# Altium PCB PPG_sensor.PcbDoc (part 1 of 2) (continued)
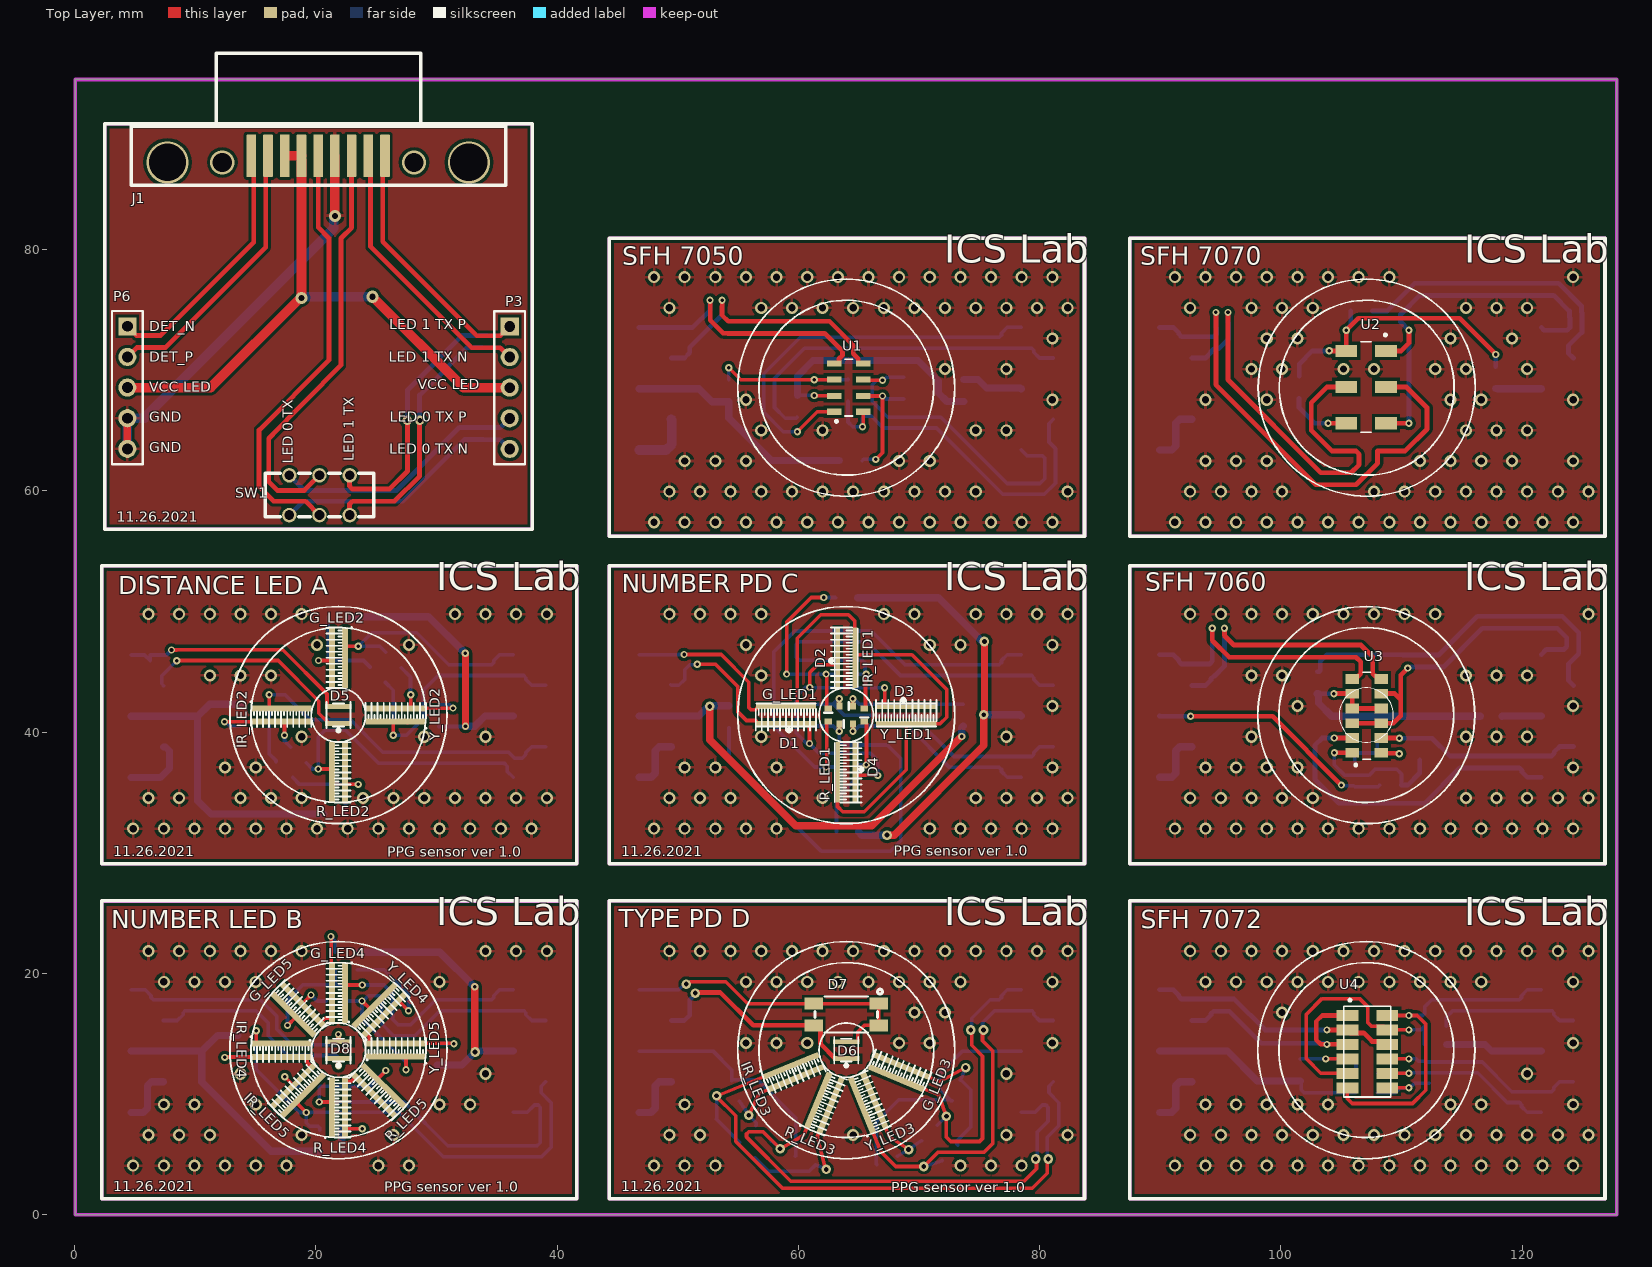
[diagram p0: Top Layer view]
## Components (designator, comment, footprint, x,y, rotation, side; value= is the part's Value field where it differs from the comment)
C_R1 "Res1" RES-SMD-0603 101.52,68.6 r270 bottom value=0
D1 "Photo Sen" PD_2704 58.97,41.405 r180 top
D2 "Photo Sen" PD_2704 63.97,46.155 r90 top
D3 "Photo Sen" PD_2704 68.95,41.4 r0 top
D4 "Photo Sen" PD_2704 63.97,36.655 r270 top
D5 "SFH_2704" OSRAM_Opto_Semiconductors_SFH_2704_MFG 21.87,41.405 r180 top
D6 "SFH_2704" OSRAM_Opto_Semiconductors_SFH_2704_MFG 63.97,13.625 r180 top
D7 "APS5130PD7C-P22" LED_APS5130PD7C-P22_KNB 63.97,16.575 r180 top
D8 "SFH_2704" OSRAM_Opto_Semiconductors_SFH_2704_MFG 21.87,13.625 r180 top
G_LED1 "LED" RESC0402X15N 62.47,41.405 r270 top value="LED 3 - 5 ly 2 Colour"
G_LED2 "LED" LED_PPG_DISTANCE_2 21.87,46.155 r0 top value="LED 3 - 5 ly 2 Colour"
G_LED3 "LED" LED_PPG_DISTANCE_2 68.358,11.807 r247.5 top value="LED 3 - 5 ly 2 Colour"
G_LED4 "LED" LED_PPG_DISTANCE_2 21.87,18.375 r0 top value="LED 3 - 5 ly 2 Colour"
G_LED5 "LED" LED_PPG_DISTANCE_2 18.516,16.991 r225 top value="LED 3 - 5 ly 2 Colour"
H_R1 "Res1" RES-SMD-0603 64.12,68.3 r90 bottom value=0
H_R2 "Res1" RES-SMD-0603 59.92,67 r90 bottom value=0
H_R3 "Res1" RES-SMD-0603 68.72,68.5 r90 bottom value=0
H_R4 "Res1" RES-SMD-0603 60.975,41.425 r270 bottom value=0
H_R5 "Res1" RES-SMD-0603 66.95,41.425 r270 bottom value=0
H_R6 "Res1" RES-SMD-0603 63.975,44.85 r180 bottom value=0
H_R7 "Res1" RES-SMD-0603 63.9,37.125 r180 bottom value=0
H_R8 "Res1" RES-SMD-0603 106.72,74.9 r180 bottom value=0
H_R9 "Res1" RES-SMD-0603 17.32,36.905 r315 bottom value=0
H_R10 "Res1" RES-SMD-0603 18.545,38.105 r315 bottom value=0
H_R11 "Res1" RES-SMD-0603 25.145,44.73 r135 bottom value=0
H_R12 "Res1" RES-SMD-0603 26.445,45.955 r135 bottom value=0
H_R13 "Res1" RES-SMD-0603 103.02,44.1 r270 bottom value=0
H_R14 "Res1" RES-SMD-0603 111.52,38.6 r270 bottom value=0
H_R15 "Res1" RES-SMD-0603 107.12,39.5 r180 bottom value=0
H_R16 "Res1" RES-SMD-0603 55.745,5.35 r315 bottom value=0
H_R17 "Res1" RES-SMD-0603 57.095,6.725 r315 bottom value=0
H_R18 "Res1" RES-SMD-0603 72.57,5.1 r45 bottom value=0
H_R19 "Res1" RES-SMD-0603 70.845,6.75 r45 bottom value=0
H_R20 "Res1" RES-SMD-0603 19.425,10.625 r0 bottom value=0
H_R21 "Res1" RES-SMD-0603 21.225,7 r0 bottom value=0
H_R22 "Res1" RES-SMD-0603 112.82,15.6 r180 bottom value=0
H_R23 "Res1" RES-SMD-0603 112.02,11.8 r270 bottom value=0
H_R24 "Res1" RES-SMD-0603 107.12,11.7 r0 bottom value=0
H_R25 "Res1" RES-SMD-0603 22.525,20.275 r180 bottom value=0
H_R26 "Res1" RES-SMD-0603 21.775,17.7 r180 bottom value=0
IR_LED1 "LED" RESC0402X15N 63.97,42.155 r180 top value="LED 3 - 5 ly 2 Colour"
IR_LED2 "LED" LED_PPG_DISTANCE_2 17.12,41.405 r90 top value="LED 3 - 5 ly 2 Colour"
IR_LED3 "LED" LED_PPG_DISTANCE_2 59.582,11.807 r112.5 top value="LED 3 - 5 ly 2 Colour"
IR_LED4 "LED" LED_PPG_DISTANCE_2 17.125,13.625 r90 top value="LED 3 - 5 ly 2 Colour"
IR_LED5 "LED" LED_PPG_DISTANCE_2 18.516,10.266 r315 top value="LED 3 - 5 ly 2 Colour"
J1 "DRB-09P11G1R" K202XHT-E9P-NJ_DB9_Male 20.19,87.773 r0 top
P1 "Header 5" "HDR 5 POS 1 ROW" 79.805,68.465 r270 bottom
P2 "Header 5" "HDR 5 POS 1 ROW" 79.805,41.325 r270 bottom
P3 "Header 5" HDR1X5 36.07,73.625 r270 top
P4 "Header 5" "HDR 5 POS 1 ROW" 48.135,68.465 r270 bottom
P5 "Header 5" "HDR 5 POS 1 ROW" 48.135,41.325 r270 bottom
P6 "Header 5" HDR1X5 4.37,73.635 r270 top
P7 "Header 5" "HDR 5 POS 1 ROW" 122.955,68.465 r270 bottom
P8 "Header 5" "HDR 5 POS 1 ROW" 91.285,68.465 r270 bottom
P9 "Header 5" "HDR 5 POS 1 ROW" 37.705,41.325 r270 bottom
P10 "Header 5" "HDR 5 POS 1 ROW" 6.035,41.305 r270 bottom
P11 "Header 5" "HDR 5 POS 1 ROW" 79.805,13.545 r270 bottom
P12 "Header 5" "HDR 5 POS 1 ROW" 48.135,13.545 r270 bottom
P13 "Header 5" "HDR 5 POS 1 ROW" 122.92,41.325 r270 bottom
P14 "Header 5" "HDR 5 POS 1 ROW" 91.285,41.325 r270 bottom
P15 "Header 5" "HDR 5 POS 1 ROW" 37.705,13.545 r270 bottom
P16 "Header 5" "HDR 5 POS 1 ROW" 6.035,13.545 r270 bottom
P17 "Header 5" "HDR 5 POS 1 ROW" 122.92,13.545 r270 bottom
P18 "Header 5" "HDR 5 POS 1 ROW" 91.285,13.545 r270 bottom
P_R1 "Res1" RES-SMD-0603 64.32,62.5 r180 bottom value=0
P_R2 "Res1" RES-SMD-0603 54.22,68.3 r270 bottom value=0
P_R3 "Res1" RES-SMD-0603 73.72,68.3 r90 bottom value=0
P_R4 "Res1" RES-SMD-0603 73.675,41.425 r270 bottom value=0
P_R5 "Res1" RES-SMD-0603 54.25,41.25 r90 bottom value=0
P_R6 "Res1" RES-SMD-0603 64.05,31.725 r0 bottom value=0
P_R7 "Res1" RES-SMD-0603 63.975,51.125 r0 bottom value=0
P_R8 "Res1" RES-SMD-0603 117.82,69.4 r270 bottom value=0
P_R9 "Res1" RES-SMD-0603 13.77,41.38 r90 bottom value=0
P_R10 "Res1" RES-SMD-0603 21.57,33.205 r180 bottom value=0
P_R11 "Res1" RES-SMD-0603 30.195,41.38 r270 bottom value=0
P_R12 "Res1" RES-SMD-0603 106.12,36.4 r270 bottom value=0
P_R13 "Res1" RES-SMD-0603 21.92,49.555 r0 bottom value=0
P_R14 "Res1" RES-SMD-0603 117.42,41.3 r0 bottom value=0
P_R15 "Res1" RES-SMD-0603 54.82,10.25 r112.5 bottom value=0
P_R16 "Res1" RES-SMD-0603 109.12,35.6 r180 bottom value=0
P_R17 "Res1" RES-SMD-0603 60.595,4.475 r157.5 bottom value=0
P_R18 "Res1" RES-SMD-0603 67.37,4.475 r202.5 bottom value=0
P_R19 "Res1" RES-SMD-0603 73.095,10.3 r247.5 bottom value=0
P_R20 "Res1" RES-SMD-0603 13.525,13.95 r270 bottom value=0
P_R21 "Res1" RES-SMD-0603 21.275,5.25 r180 bottom value=0
P_R22 "Res1" RES-SMD-0603 101.62,12 r270 bottom value=0
P_R23 "Res1" RES-SMD-0603 30.05,13.275 r90 bottom value=0
P_R24 "Res1" RES-SMD-0603 112.82,14.1 r0 bottom value=0
P_R25 "Res1" RES-SMD-0603 107.12,10.1 r180 bottom value=0
P_R26 "Res1" RES-SMD-0603 22.5,21.75 r0 bottom value=0
R_LED1 "LED" RESC0402X15N 63.97,40.655 r0 top value="LED 3 - 5 ly 2 Colour"
R_LED2 "LED" LED_PPG_DISTANCE_2 21.87,36.655 r180 top value="LED 3 - 5 ly 2 Colour"
R_LED3 "LED" LED_PPG_DISTANCE_2 62.152,9.237 r157.5 top value="LED 3 - 5 ly 2 Colour"
R_LED4 "LED" LED_PPG_DISTANCE_2 21.875,8.875 r180 top value="LED 3 - 5 ly 2 Colour"
R_LED5 "LED" LED_PPG_DISTANCE_2 25.234,10.266 r45 top value="LED 3 - 5 ly 2 Colour"
SW1 "SSSS222700" DPDT_SSSS222700 20.295,59.635 r0 top
U1 "SFH_7050" XDCR_SFH_7050 64.17,68.55 r90 top
U2 "SFH_7070" XDCR_SFH_7070 107.07,68.6 r270 top
U3 "SFH_7060" XDCR_SFH_7060 107.12,41.34 r90 top
U4 "SFH_7072" XDCR_SFH_7072 107.17,13.5 r270 top
Y_LED1 "LED" RESC0402X15N 65.47,41.405 r90 top value="LED 3 - 5 ly 2 Colour"
Y_LED2 "LED" LED_PPG_DISTANCE_2 26.62,41.405 r270 top value="LED 3 - 5 ly 2 Colour"
Y_LED3 "LED" LED_PPG_DISTANCE_2 65.788,9.237 r202.5 top value="LED 3 - 5 ly 2 Colour"
Y_LED4 "LED" LED_PPG_DISTANCE_2 25.275,16.945 r135 top value="LED 3 - 5 ly 2 Colour"
Y_LED5 "LED" LED_PPG_DISTANCE_2 26.62,13.63 r270 top value="LED 3 - 5 ly 2 Colour"

## Footprints (in the part's own frame and the unit in brackets; to place one, negate y for a bottom-side part, rotate by r counter-clockwise, add the part's x,y. Pads: shape width x height; smd on the part's side, far side on the other; paste and mask are expansions set on the pad)
DPDT_SSSS222700 [mm]
  round 1.2 hole 0.8 mask+0.07: 1(-2.5,1.65) 2(0,1.65) 3(2.5,1.65) 4(-2.5,-1.65) 5(0,-1.65) 6(2.5,-1.65)
  round 1 hole 0.8 mask+0.07: 1(-2.5,1.65) 1(-2.5,1.65)
  silkscreen extent -4.5,-1.78 4.5,1.83, body extent -4.5,-1.77 4.5,1.83, height 5.21
HDR1X5 [mm] "Connector; Header; 5 Position"
  rect 1.5x1.5 hole 0.9: 1(0,0)
  round 1.5 hole 0.9: 2(2.54,0) 3(5.08,0) 4(7.62,0) 5(10.16,0)
  silkscreen extent -1.27,-1.27 11.43,1.27
"HDR 5 POS 1 ROW" [mm]
  rrect10% 1.27x3.56 smd mask+0.07: 1(-5.08,1.335) 2(-2.54,-1.335) 3(0,1.335) 4(2.54,-1.335) 5(5.08,1.335)
  silkscreen extent -6.14,-2.34 6.15,2.34, body extent -6.15,-2.44 6.15,2.44, height 10.05
K202XHT-E9P-NJ_DB9_Male [mm]
  rrect10% 0.8x3.5 smd mask+0.07: 1(5.54,0) 2(2.77,0) 3(0,0) 4(-2.77,0) 5(-5.54,0) 6(4.155,0) 7(1.385,0) 8(-1.385,0) 9(-4.155,0)
  silkscreen extent -15.5,-2.45 15.55,8.5, body extent -15.55,-2.67 15.26,8.98, height 10.81
LED_APS5130PD7C-P22_KNB [mm]
  rect 1.5x1 smd paste+0 mask+0: 1(-2.692,-0.9) 2(2.692,-0.9) 3(-2.692,0.9) 4(2.692,0.9)
  silkscreen extent -3,-2.1 2.6,1.5
LED_PPG_DISTANCE_2 [mm]
  rrect10% 0.5x5 smd mask+0: 1(-0.55,0) 2(0.55,0)
  silkscreen extent -1,-2.5 1.14,2.54, body extent -0.5,1.95 0.5,2.55, height 0.2
OSRAM_Opto_Semiconductors_SFH_2704_MFG [mm]
  rect 2.2x0.4 smd paste-1000 mask+0: 1(0,0.7) 2(0,-0.7)
  silkscreen extent -1,-1.1 1,1.4, body extent -1,-0.9 1,0.9, height 0.6
PD_2704 [mm]
  rect 5x0.4 smd paste-1000: 1(0,0.7) 2(0,-0.7)
  silkscreen extent -2.5,-0.95 2.5,1.4, body extent -0.75,-0.9 1.25,0.9, height 0.6
RES-SMD-0603 [mm]
  rect 0.6x0.9 smd: 1(-0.889,0) 2(0.927,0)
  silkscreen extent -1.4,-0.64 1.4,0.64, body extent -0.8,-0.4 0.8,0.4, height 0.43
RESC0402X15N [mm]
  rect 0.5x0.6 smd paste+0 mask+0: 1(-0.55,0) 2(0.55,0)
  silkscreen extent -0.2,-0.33 -0.2,0.33, body extent -0.5,-0.3 0.5,0.3, height 0.2
XDCR_SFH_7050 [mm]
  rect 0.5x1.2 smd paste-1 mask+0: 1(-2,1.2) 2(-0.69,1.2) 3(0.69,1.2) 4(2,1.2) 5(2,-1.2) 6(0.69,-1.2) 7(-0.69,-1.2) 8(-2,-1.2)
  silkscreen extent -2.89,-0.33 2.35,1.12, body extent -2.35,-1.25 2.35,1.25, height 1.01
XDCR_SFH_7060 [mm]
  rect 0.8x1.1 smd paste-1 mask+0: 1(-3.06,1.2) 2(-1.84,1.2) 3(-0.612,1.2) 4(0.612,1.2) 5(1.84,1.2) 6(3.06,1.2) 7(3.06,-1.2) 8(1.84,-1.2) 9(0.612,-1.2) 10(-0.612,-1.2) 11(-1.84,-1.2) 12(-3.06,-1.2)
  silkscreen extent -4.18,-0.33 3.6,1.01
XDCR_SFH_7070 [mm]
  rect 1x1.8 smd paste-1 mask+0: 1(-3,1.65) 2(0,1.65) 3(3,1.65) 4(3,-1.65) 5(0,-1.65) 6(-3,-1.65)
  silkscreen extent -4.42,-0.43 3.75,1.7, body extent -3.75,-1.95 3.75,1.95, height 0.95
XDCR_SFH_7072 [mm]
  rect 0.9x1.8 smd paste-1 mask+0: 1(-3,-1.65) 2(-1.8,-1.65) 3(-0.6,-1.65) 4(0.6,-1.65) 5(1.8,-1.65) 6(3,-1.65) 7(3,1.65) 8(1.8,1.65) 9(0.6,1.65) 10(-0.6,1.65) 11(-1.8,1.65) 12(-3,1.65)
  silkscreen extent -4.37,-1.95 3.76,1.95, body extent -3.75,-1.95 3.75,1.95, height 0.9

## Part data
C_R1 H_R1 H_R2 H_R3 H_R4 H_R5 H_R6 H_R7 H_R8 H_R9 H_R10 H_R11 H_R12 H_R13 H_R14 H_R15 H_R16 H_R17 H_R18 H_R19 H_R20 H_R21 H_R22 H_R23 H_R24 H_R25 H_R26 P_R1 P_R2 P_R3 P_R4 P_R5 P_R6 P_R7 P_R8 P_R9 P_R10 P_R11 P_R12 P_R13 P_R14 P_R15 P_R16 P_R17 P_R18 P_R19 P_R20 P_R21 P_R22 P_R23 P_R24 P_R25 P_R26: "Resistor", LatestRevisionDate=17-Jul-2002, LatestRevisionNote="Re-released for DXP Platform.", PackageDescription="Axial Device, Thru-Hole; 2 Leads; 0.3 in Pin Spacing", PackageReference=AXIAL-0.3, Published=8-Jun-2000, Publisher="Altium Limited"
D1 D2 D3 D4: "Photosensitive Diode", LatestRevisionDate=17-Jul-2002, LatestRevisionNote="Re-released for DXP Platform.", PackageReference=PIN2, Published=24-Mar-1999, Publisher="Altium Limited"
D7: "No Description Available", Mfr_Name=Kingbright, Copyright="Copyright (C) 2021 Ultra Librarian. All rights reserved.", Digi-Key_Part_Number_1=754-2215-2-ND, Digi-Key_Part_Number_2=754-2215-1-ND, Digi-Key_Part_Number_3=754-2215-6-ND, Manufacturer_Part_Number=APS5130PD7C-P22, RefDes=RefDes, Type=DEV
G_LED1 G_LED2 G_LED3 G_LED4 G_LED5 IR_LED1 IR_LED2 IR_LED3 IR_LED4 IR_LED5 R_LED1 R_LED2 R_LED3 R_LED4 R_LED5 Y_LED1 Y_LED2 Y_LED3 Y_LED4 Y_LED5: library part "LED SMD"
J1: library part "CON 9 Male", "Connector, DB9 R/A Through-hole Male", Max Current=3A, Category=Connector, Connector type=Header, Mounting Technology=Through-Hole, Pin Count=9, Status=Unreleased
P1 P2 P3 P4 P5 P6 P7 P8 P9 P10 P11 P12 P13 P14 P15 P16 P17 P18: "Header, 5-Pin", LatestRevisionDate=17-Jul-2002, LatestRevisionNote="Re-released for DXP Platform.", Publisher="Altium Limited"
U1: "Salida de voltaje del sensor de oxÃ­metro / frecuencia cardÃ­aca", Package=None, Digi-Key_Part_Number=475-3346-1-ND, Digi-Key_Purchase_URL=https://www.digikey.com/product-detail/en/osram-opto-semiconductors-inc/SFH-7050/475-3346-1-ND/7645273?utm_source=snapeda&utm_medium=aggregator&utm_campaign=symbol, MF="OSRAM Opto", MP="SFH 7050", SnapEDA_Link=https://www.snapeda.com/parts/SFH%207050/OSRAM%20Opto%20Semiconductors%20Inc./view-part/227176/?ref=snap
U2 U4: "Reflective Optical Sensor 6-SMD, No Lead", Package="SMD-6 Osram Opto", Availability=Unavailable, MF="OSRAM Opto", Price=None
  U2: MP="SFH 7070", SnapEDA_Link=https://www.snapeda.com/parts/SFH%207070/OSRAM%20Opto%20Semiconductors%20Inc./view-part/1043339/?ref=snap
  U4: MP="SFH 7072", SnapEDA_Link=https://www.snapeda.com/parts/SFH%207072/OSRAM%20Opto%20Semiconductors%20Inc./view-part/2464223/?ref=snap
U3: "Oximeter/Heart Rate Sensor Current Output", Package=None, Availability=Unavailable, MF="OSRAM Opto", MP="SFH 7060", Price=None, SnapEDA_Link=https://www.snapeda.com/parts/SFH%207060/OSRAM%20Opto%20Semiconductors%20Inc./view-part/448279/?ref=snap

## Via types
v1: diameter 1, hole 0.6, Top Layer to Bottom Layer, tented both sides, 414 vias
v2: diameter 0.6, hole 0.3, Top Layer to Bottom Layer, tented top, 59 vias
v3: diameter 0.6, hole 0.3, Top Layer to Bottom Layer, 26 vias
v4: diameter 0.8, hole 0.4, Top Layer to Bottom Layer, tented top, 19 vias
v5: diameter 3.5, hole 3.1, Top Layer to Bottom Layer, 3 vias
v6: diameter 2, hole 1.6, Top Layer to Bottom Layer, 3 vias
v7: diameter 1, hole 0.5, Top Layer to Bottom Layer, 3 vias
v8: diameter 0.8, hole 0.4, Top Layer to Bottom Layer, 2 vias

## Nets (pads, with @x,y where several pads share a name; then routed paths per layer and width w, separated by ;. In a path a pad name is that pad's centre, name@x,y a point inside that pad or via, vN(x,y) a via of type N, cw(c..) or ccw(c..) an arc to the next point about the centre after c; other vN are vias at no path point)
A_PD_DET_N: D5.2 P10.1 | length 20.6
  Top Layer w0.3: v2(8.025,46.8) 8.465,46.8 8.495,46.83 17.245,46.83 20.924,43.151 20.924,42.155 20.974,42.105 D5.2@21.87,42.105
  Bottom Layer w0.3: P10.1@4.7,46.385 5.784,46.385 6.269,45.9 6.269,46.385 7.61,46.385 v2(8.025,46.8)
A_PD_DET_P: D5.1 P10.2 | length 18.9
  Top Layer w0.3: v2(8.47,45.905) 8.495,45.93 16.872,45.93 20.245,42.557 20.245,41.561 20.92,40.886 20.92,40.755 20.97,40.705 D5.1@21.87,40.705
  Bottom Layer w0.3: P10.2@7.37,43.845 7.21,44.005 7.21,44.645 v2(8.47,45.905)
A_TX_LED_0_N: H_R10.2 P9.5 R_LED2.2 | length 23.5
  Top Layer w0.3: v2(20.195,36.93) 21.218,36.93 21.32,36.828 R_LED2.2@21.32,36.655
  Bottom Layer w0.3: H_R10.2@19.2,37.45 19.722,36.928 19.723,36.93 v2(20.195,36.93) 20.195,39.58 20.745,40.13 22.47,40.13 25.176,37.424 35.601,37.424 35.871,37.154 35.871,36.73 36.356,36.245 P9.5@36.37,36.245
A_TX_LED_0_P: H_R9.1 IR_LED2.2 P9.4 | length 33.4
  Top Layer w0.3: v2@16.12,43.005 16.12,42.105 16.07,42.055 16.17,41.955 IR_LED2.2@17.12,41.955
  Bottom Layer w0.3: H_R9.1@16.691,37.534 16.691,37.634 16.12,38.205 v2(16.12,43.08) 17.445,43.08 19.495,41.03 22.843,41.03 25.548,38.324 35.973,38.324 36.468,37.83 37.099,37.83 37.41,38.141 37.41,38.3 37.895,38.785 P9.4@39.04,38.785
A_TX_LED_1_N: H_R11.1 P9.2 Y_LED2.2 | length 23.4
  Top Layer w0.3: v2(26.42,39.73) 26.42,40.755 26.52,40.855 Y_LED2.2@26.62,40.855 27.52,40.855 Y_LED2.2@27.62,40.755
  Bottom Layer w0.3: H_R11.1@25.774,44.101 26.42,43.455 v2(26.42,39.73) 27.52,39.73 28.92,41.13 28.92,43.455 30.15,44.685 37.234,44.685 37.41,44.509 37.41,44.35 37.895,43.865 P9.2@39.04,43.865
A_TX_LED_1_P: G_LED2.2 H_R12.2 P9.1 | length 19.6
  Top Layer w0.3: G_LED2.2@22.52,45.88 22.42,45.98 G_LED2.2@22.42,46.155 22.42,47.005 22.52,47.105 v2(23.52,47.105)
  Bottom Layer w0.3: H_R12.2@25.79,46.61 25.295,47.105 v2(23.52,47.105) 24.645,48.23 28.37,48.23 31.015,45.585 34.564,45.585 34.74,45.761 34.74,45.92 35.225,46.405 P9.1@36.37,46.405
B_PD_DET_N: D8.2 P16.1 | length 21.1
  Top Layer w0.4: D8.2@21.87,14.325 v3(21.87,14.93)
  Bottom Layer w0.3: P16.1@4.7,18.625 5.845,18.625 6.33,18.14 6.33,17.981 6.506,17.805 15.393,17.805 16.75,16.448 16.75,15.38 18.05,14.08 21.694,14.08 21.87,14.256 v3(21.87,14.93)
B_PD_DET_P: D8.1 P16.2 | length 18.4
  Top Layer w0.381: v3(21.87,12.33) D8.1@21.87,12.925
  Bottom Layer w0.3: P16.2@7.37,16.085 8.515,16.085 9,16.57 9,16.729 9.176,16.905 15.02,16.905 16.05,15.875 16.05,14.807 17.677,13.18 21.694,13.18 21.87,13.004 v3(21.87,12.33)
B_TX_LED_0_N: H_R20.2 P15.5 R_LED4.2 R_LED5.2 | length 35.4
  Top Layer w0.3: v3(20.275,9.325) 20.275,9.475 20.425,9.325 21.325,9.325 R_LED4.2@21.325,8.875 ; R_LED5.2@25.075,11.175 v3@25.694,11.794 ; R_LED5.2@25.623,10.655 R_LED5.2@25.623,10.655
  Bottom Layer w0.3: v3(25.8,11.935) 24.49,10.625 H_R20.2@20.352,10.625 20.275,10.548 v3(20.275,9.325) 27.3,9.325 30.939,5.686 38.336,5.686 38.6,5.951 38.6,8.899 38.424,9.075 38.125,9.075 37.515,8.465 P15.5@36.37,8.465
B_TX_LED_0_P: H_R21.1 IR_LED4.2 IR_LED5.2 P15.4 | length 43.3
  Top Layer w0.3: v3(15.05,15.225) 15.05,14.225 IR_LED4.2@16.9,14.225 ; IR_LED4.2@17.125,14.18 17.245,14.18 IR_LED4.2@17.345,14.28 ; IR_LED5.2@18.521,9.3 18.521,9.129 v3(19.2,8.45) ; IR_LED5.2@18.905,9.877 18.918,9.89 IR_LED5.2@19.06,9.89
  Bottom Layer w0.3: v3(15.05,15.225) 15.05,12.025 18.625,8.45 v3(19.2,8.45) 19.2,7.6 19.5,7.3 20.186,7.3 20.336,7.15 H_R21.1@20.336,7 H_R21.1@20.33,7.005 ; 19.573,8.45 19.601,8.478 26.874,8.478 30.566,4.786 38.708,4.786 39.5,5.578 39.5,9.272 38.676,10.096 38.676,10.641 P15.4@39.04,11.005
B_TX_LED_1_N: H_R26.1 P15.2 Y_LED4.2 Y_LED5.2 | length 32.7
  Top Layer w0.3: v3(23.825,17.7) 24.539,16.986 Y_LED4.2@24.886,17.334 ; Y_LED4.2@24.886,17.439 Y_LED4.2@24.886,17.334 ; Y_LED4.2@25.086,17.439 Y_LED4.2@25.039,17.486 ; Y_LED4.2@25.643,18.232 25.643,18.091 Y_LED4.2@25.039,17.486 ; Y_LED5.2@26.625,13.075 Y_LED5.2@26.62,13.08 27.38,13.08 27.472,13.172 27.472,13.08 v3@27.472,12 ; v3@27.375,12 v3@27.472,12 ; v3(27.475,12) v3@27.472,12 ; Y_LED4.2@24.886,17.334 Y_LED4.2@25.039,17.486
  Bottom Layer w0.3: H_R26.1@22.664,17.7 v3(23.825,17.7) ; v3(27.475,12) 27.475,12.575 27.4,12.65 23.825,16.225 v3(23.825,17.7) ; P15.2@39.04,16.085 37.895,16.085 37.41,16.57 37.41,16.729 37.234,16.905 30.303,16.905 28.223,14.825 26.427,14.825 25.45,15.802 25.45,17.949 25.274,18.125 24.331,18.125 23.906,17.7 v3(23.825,17.7)
B_TX_LED_1_P: G_LED4.2 G_LED5.2 H_R25.2 P15.1 | length 30.6
  Top Layer w0.3: v3(17.65,15.675) 18.375,16.4 G_LED5.2@17.95,16.825 ; G_LED5.2@18.125,16.602 G_LED5.2@18.127,16.602 ; G_LED4.2@22.425,18.38 G_LED4.2@22.42,18.375 22.42,19.25 22.645,19.025 v3(23.85,19.025)
  Bottom Layer w0.3: v3(17.65,15.675) 17.65,17.775 18.927,19.052 21.6,19.052 ; H_R25.2@21.598,20.275 21.598,19.054 21.6,19.052 ; 23.452,19.025 23.494,19.025 ; P15.1@36.37,18.625 35.225,18.625 34.74,18.14 34.74,17.981 34.564,17.805 29.93,17.805 27.85,15.725 26.8,15.725 26.35,16.175 26.35,18.322 25.647,19.025 23.494,19.025 ; 21.6,19.052 23.467,19.052 23.494,19.025
C_PD_DET_N: D1.2 D2.2 D3.2 D4.2 P5.1 | length 59.9
  Top Layer w0.3: v2(50.525,46.425) 53.6,46.425 55.89,44.135 55.89,42.031 56.066,41.855 56.444,41.855 56.62,42.031 56.62,42.055 56.67,42.105 D1.2@58.97,42.105 59.9,42.105 59.9,47.775 61.85,49.725 64.15,49.725 64.67,49.205 D2.2@64.67,46.155 ; D4.2@63.25,36.65 63.25,33.825 63.675,33.4 65.475,33.4 68.95,36.875 D3.2@68.95,40.7 ; D4.2@63.25,36.9 D4.2@63.3,36.85 ; D2.2@64.62,45.955 D2.2@64.67,45.905 ; D2.2@64.675,46.4 69.415,46.4 72.295,43.52 72.295,41.22 71.775,40.7 D3.2@68.95,40.7 ; D3.2@68.475,40.7 D3.2@68.525,40.75 ; D3.2@68.725,40.7 D3.2@68.95,40.7
  Bottom Layer w0.3: P5.1@46.8,46.405 50.089,46.405 50.109,46.425 v2(50.525,46.425)
C_PD_DET_P: D1.1 D2.1 D3.1 D4.1 P5.2 | length 43
  Top Layer w0.3: v2(51.625,45.625) 53.127,45.625 54.99,43.762 54.99,41.658 55.693,40.955 56.444,40.955 56.62,40.779 56.62,40.755 56.67,40.705 D1.1@58.97,40.705 ; v2(60.925,39.05) D1.1@60.925,40.725 ; v2(60.95,43.7) 60.95,44.925 61.6,45.575 63.25,45.575 63.27,45.595 D2.1@63.27,46.155 ; D4.1@64.67,36.655 64.67,36.45 64.72,36.4 v2(66.575,36.4) ; D3.1@67.15,42.15 v2(67.15,43.675)
  Bottom Layer w0.3: P5.2@49.429,43.906 P5.2@49.47,43.865 50.09,43.865 50.575,44.35 50.575,45.15 50.993,45.568 51.568,45.568 v2(51.625,45.625) ; v2@60.65,43.7 60.575,43.7 59.85,42.975 59.85,39.9 60.7,39.05 v2(60.925,39.05) 61.75,38.225 66,38.225 66.575,37.65 v2(66.575,36.4) ; v2(60.95,43.7) 60.975,43.675 v2(67.15,43.675)
C_TX_LED_0_N: H_R5.2 P2.5 R_LED1.2 | length 16.6
  Top Layer w0.3: R_LED1.2@64.521,40.655 64.523,40.653 64.523,40.064 v2(64.525,40.062)
  Bottom Layer w0.3: v2(64.525,40.062) 64.606,40.062 65.042,40.498 H_R5.2@66.95,40.498 69.102,40.498 72.535,37.065 76.664,37.065 76.84,36.889 76.84,36.73 77.325,36.245 P2.5@78.47,36.245
C_TX_LED_0_P: H_R4.1 IR_LED1.2 P2.4 | length 23.6
  Top Layer w0.3: v2(63.4,42.75) 63.4,42.175 IR_LED1.2@63.42,42.155
  Bottom Layer w0.3: H_R4.1@60.975,42.314 62.883,42.314 ; v2@63.319,42.75 62.883,42.314 ; P2.4@81.14,38.785 79.995,38.785 79.51,38.3 79.51,38.141 79.334,37.965 72.908,37.965 69.475,41.398 66.577,41.398 66.554,41.375 63.822,41.375 62.883,42.314
C_TX_LED_1_N: H_R6.1 P2.2 Y_LED1.2 | length 34.4
  Top Layer w0.3: Y_LED1.2@65.47,41.956 65.568,42.053 65.568,44.743 v2(65.625,44.8)
  Bottom Layer w0.3: H_R6.1@64.864,44.85 64.914,44.8 65.525,44.8 65.525,45.725 65.3,45.95 60.1,45.95 59.85,46.2 59.85,47.25 60.075,47.475 65.675,47.475 68.465,44.685 79.334,44.685 79.51,44.509 79.51,44.35 79.995,43.865 P2.2@81.14,43.865
C_TX_LED_1_P: G_LED1.2 H_R7.2 P2.1 | length 39.2
  Top Layer w0.3: v2(62.3,37.1) 62.357,37.157 62.357,40.755 62.457,40.855 G_LED1.2@62.47,40.855
  Bottom Layer w0.3: H_R7.2@62.973,37.125 62.948,37.1 v2(62.3,37.1) 61.35,37.1 57.975,40.475 57.975,46.648 59.702,48.375 66.048,48.375 68.838,45.585 76.664,45.585 76.84,45.761 76.84,45.92 77.325,46.405 P2.1@78.47,46.405
D_PD_DET_N: D6.2 D7.1 D7.2 D7.3 P12.1 | length 26.4
  Top Layer w0.3: v4(50.7,19.095) 50.835,19.095 51.04,19.3 53.97,19.3 55.795,17.475 D7.2@61.278,17.475 D7.1@66.662,17.475 D7.3@66.662,15.675 65.462,15.675 64.92,15.133 64.92,14.375 64.87,14.325 D6.2@63.97,14.325
  Bottom Layer w0.3: P12.1@46.8,18.625 50.094,18.625 50.564,19.095 v4(50.7,19.095)
D_PD_DET_P: D6.1 D7.4 P12.2 | length 19.2
  Top Layer w0.381: v4(51.445,18.35) 51.497,18.402 53.538,18.402 56.265,15.675 D7.4@61.278,15.675 61.528,15.675 61.837,15.366 61.837,14.158 63.07,12.925 D6.1@63.97,12.925
  Bottom Layer w0.381: P12.2@49.47,16.085 50.552,16.085 50.996,16.53 50.996,17.788 51.445,18.237 v4(51.445,18.35)
D_TX_LED_0_N: H_R17.2 P11.5 R_LED3.2 | length 44.3
  Top Layer w0.3: R_LED3.2@61.644,9.447 60.445,6.575 58.544,5.475 v4(58.488,5.443) 57.076,6.855 55.877,6.855 55.701,6.679 55.701,6.43 59.377,2.754 78.703,2.754 79.745,3.796 79.745,4.523 v4(79.668,4.6)
  Bottom Layer w0.3: H_R17.2@57.75,6.07 57.861,6.07 58.324,5.606 58.324,5.546 58.299,5.521 ccw(c58.488,5.71) v4(58.488,5.443) ; P11.5@78.47,8.465 79.615,8.465 80.225,9.075 80.524,9.075 80.7,8.899 80.7,7.731 79.806,6.838 79.806,4.738 v4(79.668,4.6)
D_TX_LED_0_P: H_R16.1 IR_LED3.2 P11.4 | length 52.3
  Top Layer w0.3: v4(53.22,9.85) v4@53.22,9.813 ; IR_LED3.2@59.371,12.315 53.233,9.818 v4@53.22,9.813 ; v4(80.722,4.6) 80.645,4.523 80.645,3.423 79.397,2.175 58.684,2.175 54.801,6.058 54.801,8.179 53.22,9.76 v4@53.22,9.813
  Bottom Layer w0.3: v4(53.22,9.85) 53.22,7.9 53.208,7.888 H_R16.1@55.116,5.979 ; v4(80.722,4.6) 80.722,4.723 80.645,4.8 80.645,6.404 81.6,7.359 81.6,9.272 80.776,10.096 80.776,10.641 P11.4@81.14,11.005
D_TX_LED_1_N: H_R18.1 P11.2 Y_LED3.2 | length 33.5
  Top Layer w0.3: Y_LED3.2@65.28,9.026 66.82,5.225 68.07,3.975 v4(70.395,3.975) 71.57,5.15 75.393,5.15 76.12,5.877 76.12,13.55 75.27,14.4 75.27,15.223 v4(75.347,15.3)
  Bottom Layer w0.3: v4(70.395,3.975) H_R18.1@71.941,4.471 ; v4(75.347,15.3) 75.27,15.377 75.27,15.902 76.273,16.905 79.334,16.905 79.51,16.729 79.51,16.57 79.995,16.085 P11.2@81.14,16.085
D_TX_LED_1_P: G_LED3.2 H_R19.2 P11.1 | length 27.3
  Top Layer w0.3: G_LED3.2@68.148,11.299 71.645,9.925 v4(72.27,8.15) 72.27,6.426 72.646,6.05 75.02,6.05 75.27,6.3 75.27,13.127 74.37,14.027 74.37,15.223 v4(74.293,15.3)
  Bottom Layer w0.3: H_R19.2@71.5,7.405 71.525,7.405 v4(72.27,8.15) ; v4(74.293,15.3) 74.37,15.377 74.37,16.275 75.9,17.805 76.664,17.805 76.84,17.981 76.84,18.14 77.325,18.625 P11.1@78.47,18.625
DET_N: J1.5 P6.1 | length 21.3
  Top Layer w0.4: P6.1@4.37,73.635 5.14,72.865 7.114,72.865 14.843,80.593 14.843,87.581 J1.5@14.65,87.773
DET_P: J1.9 P6.2 | length 22.9
  Top Layer w0.4: P6.2@4.37,71.095 4.384,71.095 5.154,71.865 7.528,71.865 15.842,80.179 15.842,87.581 J1.9@16.035,87.773
E_PD_DET_N: P4.1 U1.4 | length 22.5
  Top Layer w0.381: 52.689,75.3 v3@52.689,75.791
  Top Layer w0.4: v3(52.68,75.8) v3@52.689,75.791 ; 52.689,75.3 52.689,74.13 53.76,73.06 54.161,73.06 54.17,73.05 62.17,73.05 63.67,71.55 63.67,71.25 63.37,70.95 63.37,70.6 63.32,70.55 U1.4@62.97,70.55
  Bottom Layer w0.4: P4.1@46.8,73.545 51.244,73.545 52.68,74.98 v3(52.68,75.8)
E_PD_DET_P: P4.2 U1.5 | length 22.4
  Top Layer w0.381: v3(53.68,75.8) 53.68,75.31 53.67,75.3 53.67,74.563 54.183,74.05 61.42,74.05 61.43,74.041 62.58,74.041 64.561,72.06 64.561,71.359 64.961,70.96 64.961,70.61 65.02,70.55 U1.5@65.37,70.55
  Bottom Layer w0.381: P4.2@49.47,71.005 50.558,71.005 51.002,71.45 51.002,71.902 53.68,74.58 v3(53.68,75.8)
E_TX_LED_0_N: H_R3.2 P1.5 U1.6 | length 27.1
  Top Layer w0.3: U1.6@65.37,69.16 v2(66.98,69.16)
  Bottom Layer w0.3: H_R3.2@68.72,69.427 67.328,69.427 67.061,69.16 v2(66.98,69.16) 66.48,69.16 66.12,68.8 66.12,67.4 67.42,66.1 71.82,66.1 77.32,60.6 80.023,60.6 80.423,61 80.423,62.724 80.247,62.9 78.955,62.9 P1.5@78.47,63.385
E_TX_LED_0_P: H_R1.1 P1.4 U1.8 | length 29.9
  Top Layer w0.3: v2@65.37,65.3 U1.8@65.37,66.55
  Bottom Layer w0.3: H_R1.1@64.12,67.411 64.12,65.7 64.52,65.3 v2(65.32,65.3) 65.32,66 65.52,66.2 66.047,66.2 67.047,65.2 71.447,65.2 76.947,59.7 80.396,59.7 81.323,60.627 81.323,63.498 80.776,64.045 80.776,65.561 P1.4@81.14,65.925
E_TX_LED_1_N: H_R2.1 P1.2 | length 29.3
  Bottom Layer w0.3: H_R2.1@59.92,66.111 59.809,66 58.92,66 58.02,66.9 58.02,69.327 60.518,71.825 79.334,71.825 79.51,71.649 79.51,71.49 79.995,71.005 P1.2@81.14,71.005
E_TX_LED_1_P: P1.1 U1.1 | length 33.5
  Top Layer w0.3: v2(59.92,64.9) 61.57,66.55 U1.1@62.97,66.55
  Bottom Layer w0.3: v2@59.92,65.1 59.72,64.9 58.747,64.9 57.12,66.527 57.12,69.7 60.145,72.725 76.664,72.725 76.84,72.901 76.84,73.06 77.325,73.545 P1.1@78.47,73.545
F_PD_DET_N: P8.1 U2.2 | length 42.3
  Top Layer w0.4: v3(94.62,74.786) 94.62,69.4 94.62,68.786 102.906,60.5 106.234,60.5 108.02,62.286 108.02,63.3 110.32,63.3 112.12,65.1 112.12,66.9 110.42,68.6 U2.2@108.72,68.6
  Bottom Layer w0.4: P8.1@89.95,73.545 91.095,73.545 91.53,73.11 91.53,73.009 91.764,72.775 94.44,72.775 94.674,73.009 94.674,73.517 94.62,73.572 v3(94.62,74.786)
F_PD_DET_P: P8.2 U2.5 | length 37.3
  Top Layer w0.4: v3(95.62,74.786) 95.62,69.2 103.32,61.5 105.82,61.5 106.489,62.169 106.489,63.031 106.22,63.3 104.22,63.3 102.52,65 102.52,67.3 103.82,68.6 U2.5@105.42,68.6
  Bottom Layer w0.4: P8.2@92.62,71.005 93.765,71.005 94.2,71.44 94.2,71.541 94.434,71.775 94.854,71.775 95.674,72.595 95.674,73.932 95.62,73.986 v3(95.62,74.786)
F_TX_LED_0_N: P7.5
F_TX_LED_0_P: P7.4